# Altium PCB HealthSensors.PcbDoc
Units mil, origin at the board's own origin, x right, y up, seen from the top; angles counter-clockwise.
Board outline 1988.19 x 2598.43 mil, 2 copper layers (Top Layer, Bottom Layer); 135 components, 92 nets, 469 pads, 113 vias.
Unrouted connection lines stored in the file: 9.
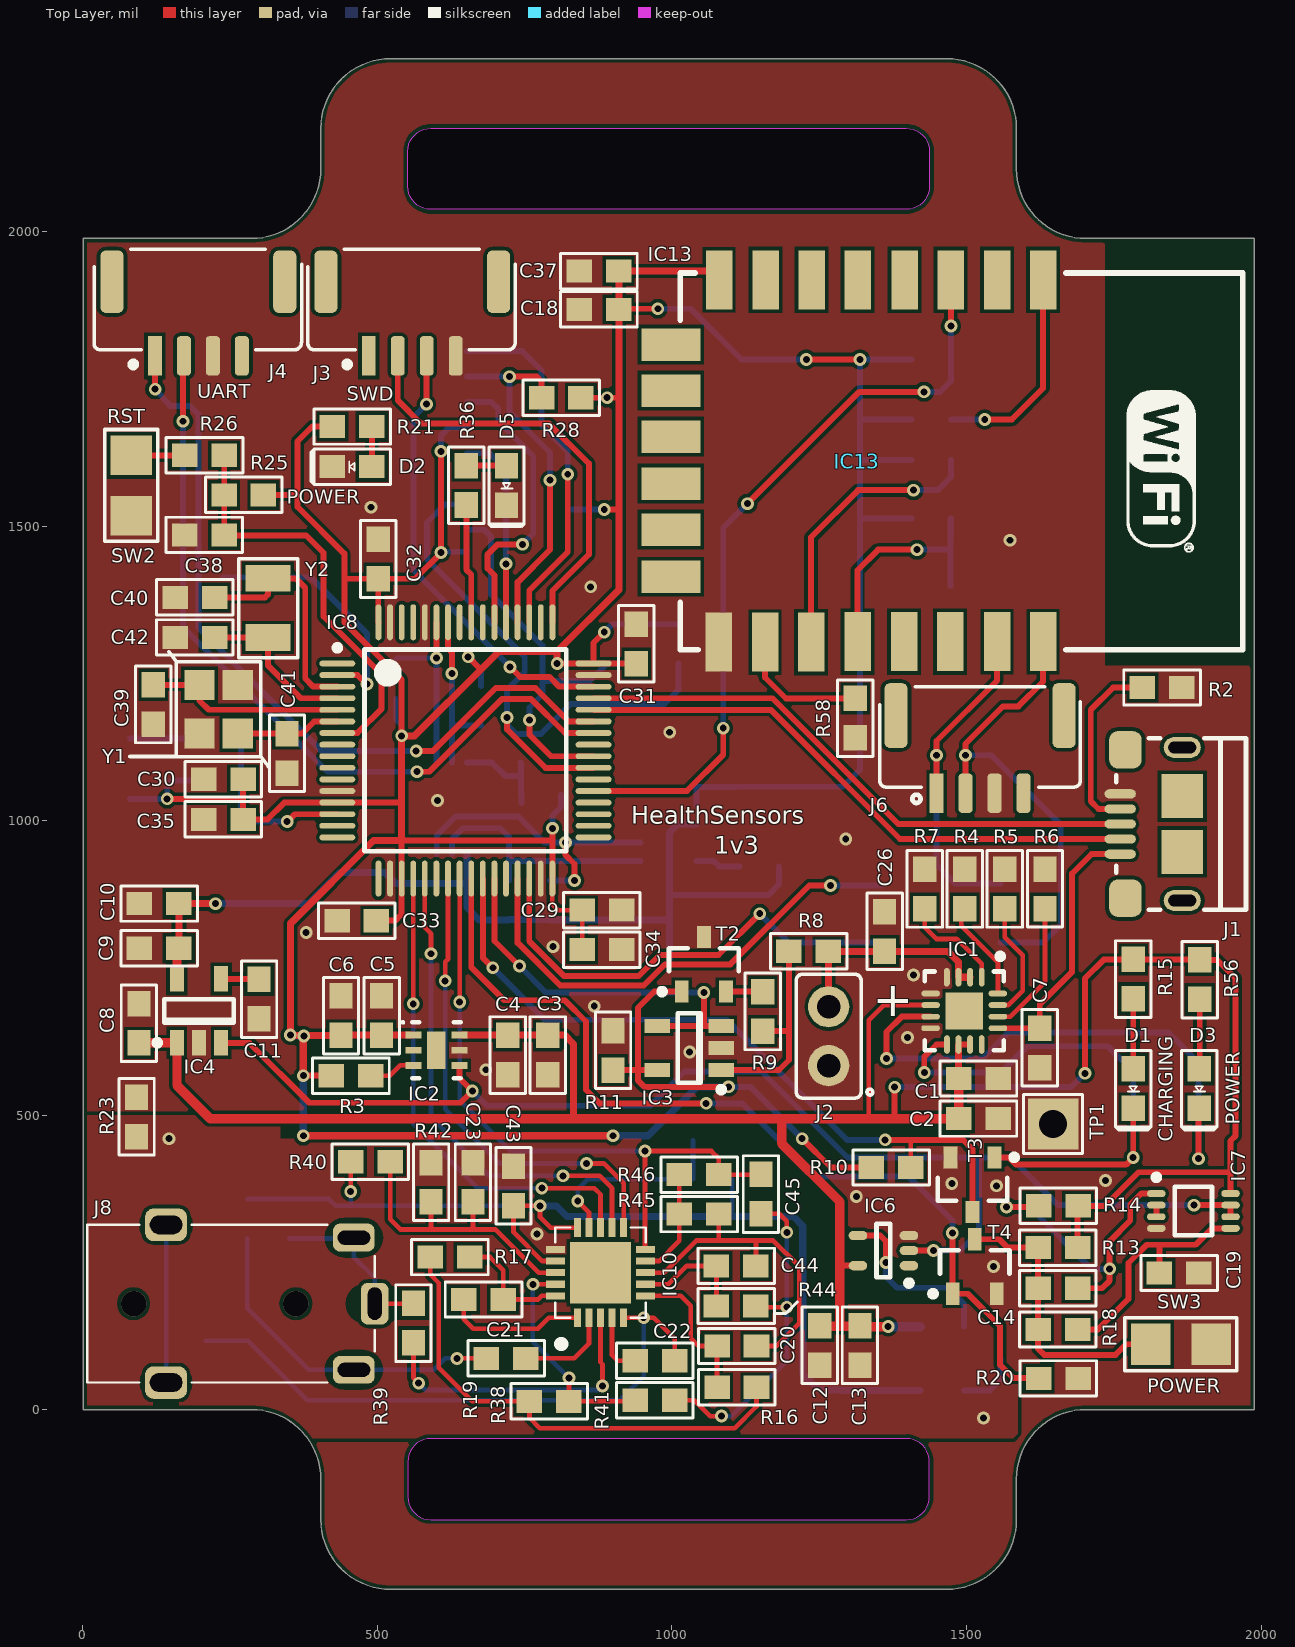
[diagram p0: Top Layer view]
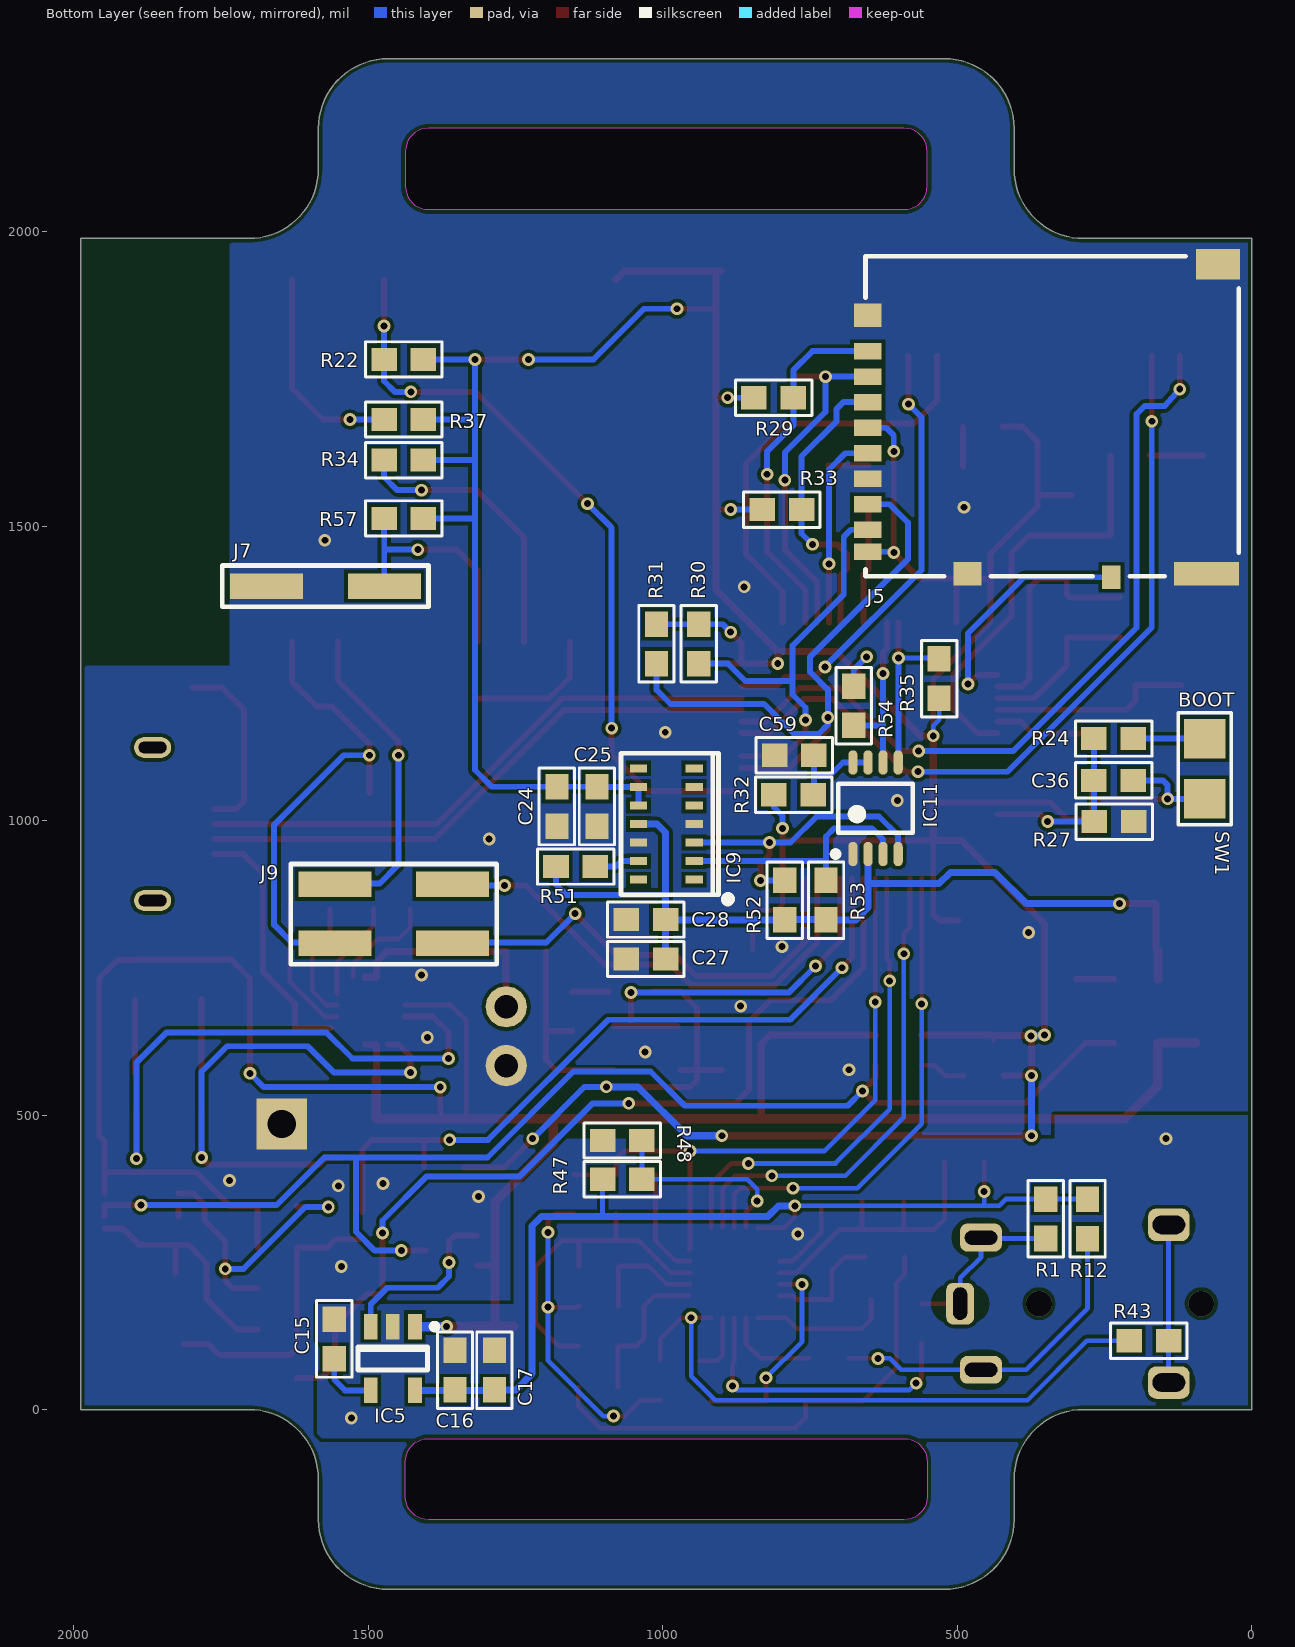
[diagram p1: Bottom Layer view, seen from below]

## Layer stack, top to bottom
Top Solder: solder mask 0.4, Solder Resist, Dk 3.5
Top Layer: signal copper 1.4
Dielectric 1: dielectric 12.6, FR-4, Dk 4.8
Bottom Layer: signal copper 1.4
Bottom Solder: solder mask 0.4, Solder Resist, Dk 3.5

## Board outline
0.16,0.16 285.59,0.16 cw(c285.59,-117.95) 403.7,-117.95 403.7,-186.85 ccw(c521.81,-186.85) 521.81,-304.96 1466.69,-304.96 ccw(c1466.69,-186.85) 1584.8,-186.85 1584.8,-117.95 cw(c1702.91,-117.95) 1702.91,0.16 1988.35,0.16 1988.35,1988.35 1702.91,1988.35 cw(c1702.91,2106.46) 1584.8,2106.46 1584.8,2175.35 ccw(c1466.69,2175.35) 1466.69,2293.46 521.81,2293.46 ccw(c521.81,2175.35) 403.7,2175.35 403.7,2106.46 cw(c285.59,2106.46) 285.59,1988.35 0.16,1988.35
cut-out: 551.34,2076.93 551.34,2135.98 cw(c590.71,2135.98) 590.71,2175.35 1397.8,2175.35 cw(c1397.8,2135.98) 1437.17,2135.98 1437.17,2076.93 cw(c1397.8,2076.93) 1397.8,2037.56 590.71,2037.56 cw(c590.71,2076.93)
cut-out: 551.34,-147.48 ccw(c590.71,-147.48) 590.71,-186.85 1397.8,-186.85 ccw(c1397.8,-147.48) 1437.17,-147.48 1437.17,-88.43 ccw(c1397.8,-88.43) 1397.8,-49.05 1397.8,-49.06 590.71,-49.06 ccw(c590.71,-88.43) 551.34,-88.43

## Design rules (kind name [scope] priority, off if disabled: settings)
BoardOutlineClearance [All] p1: gap=6.89 ignorepadtopadclearanceinfootprint=FALSE
Clearance [All] p1: gap=6 ignorepadtopadclearanceinfootprint=FALSE
HoleSize [All] p1: absolutevalues=TRUE maxlimit=78.74 minlimit=11.81 maxpercent=80.000 minpercent=20.000
HoleToHoleClearance [All] p1: gap=7.87 allowstackedmicrovias=TRUE
MinimumSolderMaskSliver [All] p1: minsoldermaskwidth=4
PolygonConnect [All] p1: connectstyle=Direct reliefconductorwidth=10 reliefentries=4 polygonreliefangle="90 Angle" airgapwidth=10
RoutingVias [All] p1: holewidth=11.81 width=78.74 viastyle="Through Hole" minholewidth=11.81 minwidth=21.65 maxholewidth=39.37 maxwidth=21.65
SilkToSilkClearance [All] p1: silktosilkclearance=0
SilkToSolderMaskClearance [IsPad] p1: minsilkscreentomaskgap=3.94 clearancetoexposedcopper=TRUE
SolderMaskExpansion [All] p1: expansion=0
Width [All] p1: maxlimit=40 minlimit=6 preferedwidth=8 minimp=50.000000 maximp=50.000000 favimp=50.000000
25 further rules are at their usual default settings.

## Components (designator, comment, footprint, x,y, rotation, side; value= is the part's Value field where it differs from the comment)
C1 "4.7uF" "CAP 0603" 1520.3,562.15 r180 top
C2 "100nF" "CAP 0603" 1520.3,494.15 r180 top
C3 "100nF" "CAP 0603" 789,602 r90 top
C4 "10uF" "CAP 0603" 721,602 r90 top
C5 "1uF" "CAP 0603" 507,669 r270 top
C6 "100nF" "CAP 0603" 438,669 r270 top
C7 "1uF" "CAP 0603" 1624.3,614.15 r90 top
C8 "100nF" "CAP 0603" 95,656 r270 top
C9 "2.2uF" "CAP 0603" 129.3,783.15 r0 top
C10 "100nF" "CAP 0603" 129.3,859.15 r0 top
C11 "10nF" "CAP 0603" 299,697 r90 top
C12 "100nF" "CAP 0603" 1251,109 r90 top
C13 "1uF" "CAP 0603" 1319,109 r90 top
C14 "1uF" "CAP 0603" 1655,206 r0 top
C15 "10nF" "CAP 0603" 1558,120 r270 bottom
C16 "1uF" "CAP 0603" 1353,67 r270 bottom
C17 "100nF" "CAP 0603" 1286,67 r270 bottom
C18 "10uF" "CAP 0603" 876,1868 r0 top
C19 "1uF" "CAP 0603" 1861,232 r180 top
C20 "330nF" "CAP 0603" 1110,108 r180 top
C21 "330nF" "CAP 0603" 680,187 r180 top
C22 "1nF" "CAP 0603" 971,83 r180 top
C23 "100nF" "CAP 0603" 662,386 r270 top
C24 "10uF" "CAP 0603" 1180,1024 r90 bottom
C25 "100nF" "CAP 0603" 1112,1024 r90 bottom
C26 "4.7uF" "CAP 0603" 1361,812 r270 top
C27 "4.7uF" "CAP 0603" 1029,765 r180 bottom
C28 "100nF" "CAP 0603" 1029,832 r180 bottom
C29 "4.7uF" "CAP 0603" 881,848 r180 top
C30 "1uF" "CAP 0603" 238.3,1070.15 r0 top
C31 "100nF" "CAP 0603" 939.3,1300.15 r270 top
C32 "100nF" "CAP 0603" 501.3,1444.15 r270 top
C33 "100nF" "CAP 0603" 464.83,830.15 r0 top
C34 "100nF" "CAP 0603" 881,781 r180 top
C35 "100nF" "CAP 0603" 238.3,1002.15 r0 top
C36 "100nF" "CAP 0603" 234.85,1068.3 r180 bottom
C37 "100nF" "CAP 0603" 876,1933 r0 top
C38 "100nF" "CAP 0603" 206,1485 r0 top
C39 "15pF" "CAP 0603" 119.3,1197.15 r90 top
C40 "15pF" "CAP 0603" 190,1379 r0 top
C41 "15pF" "CAP 0603" 346.3,1114.15 r90 top
C42 "15pF" "CAP 0603" 190,1311 r0 top
C43 "100nF" "CAP 0603" 731,380 r270 top
C44 "10nF" "CAP 0603" 1109,244 r180 top
C45 "1.5nF" "CAP 0603" 1151,366 r270 top
C59 "100pF" "CAP 0603" 777,1111 r180 bottom
D1 "Orange" "LED 0603" 1783,545 r270 top
D2 "Green" "LED 0603" 457,1601 r180 top
D3 "Orange" "LED 0603" 1895,545 r270 top
D5 "Green" "LED 0603" 719,1569 r270 top
IC1 "BQ24232" QFN16 1496.21,676.99 r270 top
IC2 "LP5912-3.3V" "WSON 6" 600.13,610.15 r0 top
IC3 "AS321" "SOT23, 5-Leads" 1029.3,614.15 r180 top
IC4 "TPS799" "SOT23, 5-Leads" 197,677 r90 top
IC5 "TPS79133DBVREP" "SOT23, 5-Leads" 1458.6,86.87 r270 bottom
IC6 "74AHC1G04" TSSOP5 1359,270 r180 top
IC7 "SN74LVC2G132" TSSOP8 1885.31,337.31 r0 top
IC8 "STM32L162" LQFP64_L 649.3,1119.15 r0 top value=STM32L162RDT
IC9 "MAX30102" MAX30102 994.25,994.25 r0 bottom
IC10 "AD8232" "LFCSP 20" 878.63,232.5 r90 top
IC11 "PCA9306" SSOP8 639,1021 r90 bottom
IC13 "ESP12-E" "ESP8266 ESP-12-E" 984,1265 r270 top
J1 "USB Micro" "FCI USB 10118193-0001LF" 1864.33,994.25 r270 top
J2 "2 pin" "HDR 1x2 2.54" 1266,634 r90 top
J3 "4 Pin GH SM" SM04B 559,1852 r180 top
J4 "4 Pin GH SM" SM04B 196,1852 r180 top
J5 "Micro SD" "HIROSE DM3AT-SF-PEJM5" 344,1671 r90 bottom
J6 "4 Pin GH" BM04B 1523,1142 r180 top
J7 "2 pin" "Harwin vertical smt header - single" 1573,1398 r270 bottom
J8 "4 pin" "CLIFF FC68126" 85.88,179.86 r90 top
J9 "4 pin" "Harwin vertical smt header - double" 1457,842 r90 bottom
R1 "10M" "RES 0603" 350,324 r90 bottom
R2 "100k" "RES 0603" 1832,1226 r180 top
R3 "100k" "RES 0603" 455,567 r180 top
R4 "4.3k" "RES 0603" 1497,884 r270 top
R5 "3.6k" "RES 0603" 1565,884 r270 top
R6 "56k" "RES 0603" 1633.3,884.15 r270 top
R7 "10k" "RES 0603" 1429,884 r270 top
R8 "30k" "RES 0603" 1232,778.15 r0 top
R9 "100k" "RES 0603" 1154,676 r270 top
R10 "10k" "RES 0603" 1372,411 r180 top
R11 "100k" "RES 0603" 900,610 r270 top
R12 "10M" "RES 0603" 279,324 r270 bottom
R13 "100k" "RES 0603" 1655,275 r0 top
R14 "100k" "RES 0603" 1656,346 r0 top
R15 "1k" "RES 0603" 1783,731 r270 top
R16 "1.4M" "RES 0603" 1110,38 r180 top
R17 "10M" "RES 0603" 623,259 r0 top
R18 "5M" "RES 0603" 1655,136 r180 top
R19 "180k" "RES 0603" 718.47,87 r180 top
R20 "100k" "RES 0603" 1656,53 r180 top
R21 "470" "RES 0603" 457,1669 r180 top
R22 "10k" "RES 0603" 1440,1783 r180 bottom
R23 "0R" "RES 0603" 91,497 r90 top
R24 "1k" "RES 0603" 234.85,1139.3 r180 bottom
R25 "10k" "RES 0603" 273,1553 r0 top
R26 "1k" "RES 0603" 206.3,1620.15 r180 top
R27 "10k" "RES 0603" 233.85,998.3 r0 bottom
R28 "47k" "RES 0603" 812,1718 r180 top
R29 "47k" "RES 0603" 812,1718 r180 bottom
R30 "47k" "RES 0603" 939,1300 r270 bottom
R31 "47k" "RES 0603" 1011,1300 r270 bottom
R32 "200k" "RES 0603" 778,1044 r0 bottom
R33 "47k" "RES 0603" 798,1528 r180 bottom
R34 "10k" "RES 0603" 1440,1612 r180 bottom
R35 "10k" "RES 0603" 531,1241 r270 bottom
R36 "470" "RES 0603" 650.85,1569.3 r270 top
R37 "10k" "RES 0603" 1440,1681 r180 bottom
R38 "10M" "RES 0603" 791.53,14 r180 top
R39 "180k" "RES 0603" 561,147 r90 top
R40 "10M" "RES 0603" 488,421 r0 top
R41 "1M" "RES 0603" 971,16 r180 top
R42 "10M" "RES 0603" 591,386 r270 top
R43 "360k" "RES 0603" 175,117 r180 bottom
R44 "1M" "RES 0603" 1109,176 r0 top
R45 "100k" "RES 0603" 1046,332 r0 top
R46 "1M" "RES 0603" 1046,399 r180 top
R47 "0R" "RES 0603" 1069,391 r0 bottom
R48 "0R" "RES 0603" 1069,457 r180 bottom
R51 "10k" "RES 0603" 1148,922 r0 bottom
R52 "10k" "RES 0603" 793,865 r270 bottom
R53 "10k" "RES 0603" 723,865 r270 bottom
R54 "10k" "RES 0603" 676,1195 r90 bottom
R56 "1k" "RES 0603" 1896,730 r90 top
R57 "10k" "RES 0603" 1440,1513 r180 bottom
R58 "10k" "RES 0603" 1311,1174 r90 top
SW1 "BUTTON-NO" "SW OMRON" 80,1088 r90 bottom
SW2 "BUTTON-NO" "SW OMRON" 82,1569 r270 top
SW3 "BUTTON-NO" "SW OMRON" 1864,111 r0 top
T2 "2N7002" SOT23 1054,756 r90 top
T3 "2N7002" SOT23 1510,382 r270 top
T4 "2N7002" SOT23 1514,243 r90 top
TP1 "Test Point" "TP THT 48MILS" 1647,485 r0 top
Y1 "24MHz" "RESONATOR ILCX13" 229.3,1189.15 r270 top
Y2 "32kHz" "RESONATOR CFPX–217" 314.3,1361.15 r90 top

## Footprints (in the part's own frame and the unit in brackets; to place one, negate y for a bottom-side part, rotate by r counter-clockwise, add the part's x,y. Pads: shape width x height; smd on the part's side, far side on the other; paste and mask are expansions set on the pad)
BM04B [mm]
  rect 0.6x1.7 smd: 1(1.875,2.425)
  rrect50% 0.6x1.7 smd: 2(0.625,2.425) 3(-0.625,2.425) 4(-1.875,2.425)
  rrect50% 1x2.8 smd: 5(-3.625,-0.925) 6(3.625,-0.925)
  silkscreen extent -4.32,-2.16 4.32,2.84, body extent -4.15,-2.02 4.12,2.73, height 4
"CAP 0603" [mm] "Chip Capacitor, 2-Leads"
  rect 1.1x1 smd: 1(-0.85,0) 2(0.85,0)
  silkscreen extent -1.65,-0.76 1.65,0.76, body extent -0.8,-0.4 0.8,0.4, height 0.8
"CLIFF FC68126" [mm] "Socket, Jack 3,5mm, female"
  rrect50% 1.8x1.2 hole 1.4 slot 0.6 at 90 deg: 1S(0,-10.4)
  rrect50% 1.2x1.8 hole 1.4 slot 0.6 at 0 deg: 2R(-2.85,-9.5) 6SR(2.85,-9.5)
  rrect50% 1.4x1.8 hole 1.4 slot 0.8 at 0 deg: 3T(-3.4,-1.4) 3T(3.4,-1.4)
  silkscreen extent -3.4,-10.4 3.4,2, body extent -3.55,-10.6 3.55,4.5, height 6
"ESP8266 ESP-12-E" [mil] "ESP8266 ESP-12-E"
  rect 100x45 smd: 1(-653,646) 2(-653,568) 3(-653,489) 4(-653,411) 5(-653,331) 6(-653,253) 7(-653,175) 8(-653,96) 15(-38,95) 16(-38,174) 17(-38,252) 18(-39,331) 19(-39,410) 20(-39,488) 21(-39,568) 22(-39,646)
  rect 55x100 smd: 9(-543,14) 10(-465,14) 11(-387,14) 12(-307,14) 13(-229,14) 14(-149,14)
  silkscreen extent -665,30 -25,985, body extent -659,33 -29,979, height 150
"FCI USB 10118193-0001LF" [mm] "USB 2.0 Type B Micro"
  oval 0.4x1.35 smd: 1(1.3,-2.625) 2(0.65,-2.625) 3(0,-2.625) 4(-0.65,-2.625) 5(-1.3,-2.625)
  oval 0.9x1.6 hole 0.5 slot 1.2 at 90 deg: S(-3.3,0.05) S(3.3,0.05)
  rrect50% 1.6x1.4 smd: S(-3.2,-2.4) S(3.2,-2.4)
  rect 1.9x1.8 smd: S(-1.2,0.05) S(1.2,0.05)
  silkscreen extent -3.7,-2.8 3.7,2.8, body extent -3.93,-2.9 3.93,2.76, height 2.78
"Harwin vertical smt header - double" [mm]
  rect 1.1x3.15 smd: 1(-1.27,-2.54) 2(-1.27,2.54) 3(1.27,-2.54) 4(1.27,2.54)
  silkscreen extent -2.17,-4.44 2.14,4.44
"Harwin vertical smt header - single" [mm]
  rect 1.1x3.15 smd: 1(0,-2.54) 2(0,2.54)
  silkscreen extent -0.89,-4.44 0.89,4.44
"HDR 1x2 2.54" [mil]
  round 70 hole 40: 1(-50,0) 2(50,0)
  silkscreen extent -105,-75 105,55, body extent -100,-47 100,47, height 339
"HIROSE DM3AT-SF-PEJM5" [mm]
  rect 0.7x1.2 smd: 1(3.2,7.825) 2(2.1,7.825) 3(1,7.825) 4(-0.1,7.825) 5(-1.2,7.825) 6(-2.3,7.825) 7(-3.4,7.825) 8(-4.5,7.825) 9(-5.45,7.825)
  rect 1x0.8 smd: 10(-6.55,-2.675)
  rect 1x2.8 smd: S(-6.4,-6.775)
  rect 1x1.2 smd: S(-6.4,3.525) S(4.75,7.825)
  rect 1.3x1.9 smd: S(6.95,-7.275)
  silkscreen extent -6.5,-8.18 7.3,7.93, body extent -6.53,-8.17 7.32,7.98, height 1.68
"LED 0603" [mm] "Chip Diode, 2-Leads"
  rect 1.1x1 smd: 1(-0.85,0) 2(0.85,0)
  silkscreen extent -1.65,-0.76 1.78,0.76, body extent -0.8,-0.4 0.8,0.4, height 0.53
"LFCSP 20" [mil] "LFCSP_WQ 4x4MM JDEC"
  rect 32x12 smd mask+0: 1(-76.5,39.37) 2(-76.5,19.69) 3(-76.5,0) 4(-76.5,-19.68) 5(-76.5,-39.37) 11(76.5,-39.37) 12(76.5,-19.68) 13(76.5,0) 14(76.5,19.69) 15(76.5,39.37)
  rect 12x32 smd mask+0: 6(-39.37,-76.5) 7(-19.68,-76.5) 8(0,-76.5) 9(19.69,-76.5) 10(39.37,-76.5) 16(39.37,76.5) 17(19.69,76.5) 18(0,76.5) 19(-19.68,76.5) 20(-39.37,76.5)
  rect 104x104 smd mask+0: ""(0,0)
  silkscreen extent -121,-77 77,77, body extent -81,-81 81,81, height 28
LQFP64_L [mm] "Thin QFP, 64-Leads, Body 10x10mm, Pitch 0.5mm, IPC High Density"
  oval 1.55x0.25 smd: 1(-5.525,3.75) 2(-5.525,3.25) 3(-5.525,2.75) 4(-5.525,2.25) 5(-5.525,1.75) 6(-5.525,1.25) 7(-5.525,0.75) 8(-5.525,0.25) 9(-5.525,-0.25) 10(-5.525,-0.75) 11(-5.525,-1.25) 12(-5.525,-1.75) 13(-5.525,-2.25) 14(-5.525,-2.75) 15(-5.525,-3.25) 16(-5.525,-3.75) 33(5.525,-3.75) 34(5.525,-3.25) 35(5.525,-2.75) 36(5.525,-2.25) 37(5.525,-1.75) 38(5.525,-1.25) 39(5.525,-0.75) 40(5.525,-0.25) 41(5.525,0.25) 42(5.525,0.75) 43(5.525,1.25) 44(5.525,1.75) 45(5.525,2.25) 46(5.525,2.75) 47(5.525,3.25) 48(5.525,3.75)
  oval 0.25x1.55 smd: 17(-3.75,-5.525) 18(-3.25,-5.525) 19(-2.75,-5.525) 20(-2.25,-5.525) 21(-1.75,-5.525) 22(-1.25,-5.525) 23(-0.75,-5.525) 24(-0.25,-5.525) 25(0.25,-5.525) 26(0.75,-5.525) 27(1.25,-5.525) 28(1.75,-5.525) 29(2.25,-5.525) 30(2.75,-5.525) 31(3.25,-5.525) 32(3.75,-5.525) 49(3.75,5.525) 50(3.25,5.525) 51(2.75,5.525) 52(2.25,5.525) 53(1.75,5.525) 54(1.25,5.525) 55(0.75,5.525) 56(0.25,5.525) 57(-0.25,5.525) 58(-0.75,5.525) 59(-1.25,5.525) 60(-1.75,5.525) 61(-2.25,5.525) 62(-2.75,5.525) 63(-3.25,5.525) 64(-3.75,5.525)
  silkscreen extent -5.65,-4.35 4.35,4.55, body extent -5,-5 5,5, height 1.6
MAX30102 [mm]
  rect 0.75x0.35 smd mask+0: 1(-1.2,2.4) 2(-1.2,1.6) 3(-1.2,0.8) 4(-1.2,0) 5(-1.2,-0.8) 6(-1.2,-1.6) 7(-1.2,-2.4) 8(1.2,-2.4) 9(1.2,-1.6) 10(1.2,-0.8) 11(1.2,0) 12(1.2,0.8) 13(1.2,1.6) 14(1.2,2.4)
  silkscreen extent -2.65,-3.05 1.95,3.25, body extent -1.65,-2.8 1.65,2.8, height 1
QFN16 [mm] "QFN, 16-Leads, Body 3.00x3.00mm, Pitch 0.50mm, Thermal Pad 1.68x1.68mm, IPC Medium Density"
  oval 0.8x0.25 smd: 1(-1.45,0.75) 2(-1.45,0.25) 3(-1.45,-0.25) 4(-1.45,-0.75) 9(1.45,-0.75) 10(1.45,-0.25) 11(1.45,0.25) 12(1.45,0.75)
  oval 0.25x0.8 smd: 5(-0.75,-1.45) 6(-0.25,-1.45) 7(0.25,-1.45) 8(0.75,-1.45) 13(0.75,1.45) 14(0.25,1.45) 15(-0.25,1.45) 16(-0.75,1.45)
  rect 1.6x1.6 smd: 17(0,0)
  silkscreen extent -2.47,-1.7 1.7,1.7, body extent -1.55,-1.55 1.55,1.55, height 1
"RES 0603" [mm] "Chip Resistor, 2-Leads"
  rect 1.1x1 smd: 1(-0.85,0) 2(0.85,0)
  silkscreen extent -1.65,-0.76 1.65,0.76, body extent -0.8,-0.4 0.8,0.4, height 0.35
"RESONATOR CFPX–217" [mm] "RESONATOR, CFPX–217, 32k"
  rect 1.15x1.95 smd: 1(-1.275,0) 2(1.275,0)
  silkscreen extent -2.15,-1.27 2.12,1.27, body extent -1.57,-0.8 1.63,0.8, height 0.55
"RESONATOR ILCX13" [mm] "RESONATOR, ILCX13, 20MHz"
  rect 1.3x1.3 smd: 1(-1.05,-0.8) 2(1.05,-0.8) 3(1.05,0.85) 4(-1.05,0.85)
  silkscreen extent -2.47,-2.12 2.47,2.17, body extent -1.55,-1.25 1.5,1.35, height 0.55
SM04B [mm]
  rect 0.6x1.7 smd: 1(1.875,1.6)
  rrect50% 0.6x1.7 smd: 2(0.625,1.6) 3(-0.625,1.6) 4(-1.875,1.6)
  rrect50% 1x2.7 smd: M1(3.725,-1.6) M2(-3.725,-1.6)
  silkscreen extent -4.45,-3 4.5,2.05, body extent -4.16,-2.82 4.15,1.91, height 4.25
SOT23 [mm] "SOT23, 3-Leads, Body 2.90x2.40mm, Pitch 0.95mm, IPC Medium Density"
  rect 0.95x0.6 smd: 1(-1.175,0.95) 2(-1.175,-0.95) 3(1.175,0)
  silkscreen extent -1.3,-1.5 0.7,1.92, body extent -0.7,-1.5 0.7,1.5, height 1.1
"SOT23, 5-Leads" [mm] "SOT23, 5-Leads, Body 2.88x2.80mm, Pitch 0.95mm, IPC Medium Density"
  rect 1.1x0.6 smd: 1(-1.375,0.95) 2(-1.375,0) 3(-1.375,-0.95) 4(1.375,-0.95) 5(1.375,0.95)
  silkscreen extent -1.5,-1.5 0.5,1.92, body extent -0.88,-1.5 0.87,1.5, height 1.45
SSOP8 [mm]
  oval 1.05x0.4 smd: 1(-1.975,0.975) 2(-1.975,0.325) 3(-1.975,-0.325) 4(-1.975,-0.975) 5(1.975,-0.975) 6(1.975,-0.325) 7(1.975,0.325) 8(1.975,0.975)
  silkscreen extent -2.1,-1.6 1.05,1.85, body extent -1.45,-1.6 1.45,1.6, height 1.3
"SW OMRON" [mm] "SWITCH, OMRON, SMALL"
  rect 1.7x1.8 smd mask+0: 1(-1.3,0) 2(1.3,0)
  silkscreen extent -2.41,-1.14 2.41,1.14, body extent -1.51,-1.25 1.49,1.25, height 1.6
"TP THT 48MILS" [mil]
  rect 86x86 hole 48: 1(0,0)
  silkscreen extent -50,-50 50,50
TSSOP5 [mm]
  oval 0.8x0.4 smd: 1(-1.1,0.65) 2(-1.1,0) 3(-1.1,-0.65) 4(1.1,-0.65) 5(1.1,0.65)
  silkscreen extent -1.23,-1.15 0.3,1.52, body extent -0.7,-1.15 0.7,1.15, height 1.1
TSSOP8 [mm] "TSSOP, 8-Leads, Body 2.00x2.30mm, Pitch 0.50mm, IPC Medium Density"
  oval 0.8x0.3 smd: 1(-1.6,0.75) 2(-1.6,0.25) 3(-1.6,-0.25) 4(-1.6,-0.75) 5(1.6,-0.75) 6(1.6,-0.25) 7(1.6,0.25) 8(1.6,0.75)
  silkscreen extent -1.72,-1.05 0.8,1.57, body extent -1.2,-1.05 1.2,1.05, height 0.9
"WSON 6" [mm] "SON, 6-Leads, Body 2.00x2.00mm, Pitch 0.65mm, Thermal Pad 1.60x0.89mm, IPC Medium Density"
  rect 0.7x0.3 smd: 1(-0.995,0.65) 2(-0.995,0) 3(-0.995,-0.65) 4(0.995,-0.65) 5(0.995,0) 6(0.995,0.65)
  rect 0.8x1.6 smd: 7(0,0)
  silkscreen extent -1.5,-1.2 1.05,1.25, body extent -1.05,-1.05 1.05,1.05, height 0.8
